# Altium PCB PCB-Relay-Board-V1.PcbDoc (part 2 of 2)
Units mm, origin at the board's own origin, x right, y up, seen from the top; angles counter-clockwise.
Board outline 165 x 129 mm, 8 copper layers (Top Layer, Signal 1, Signal2, GND Plane, P5V0R Plane, Layer 2, Signal 2, Bottom Layer), stack 1.526 mm thick; 356 components, 341 nets, 1487 pads, 0 vias.
Unrouted connection lines stored in the file: 991.
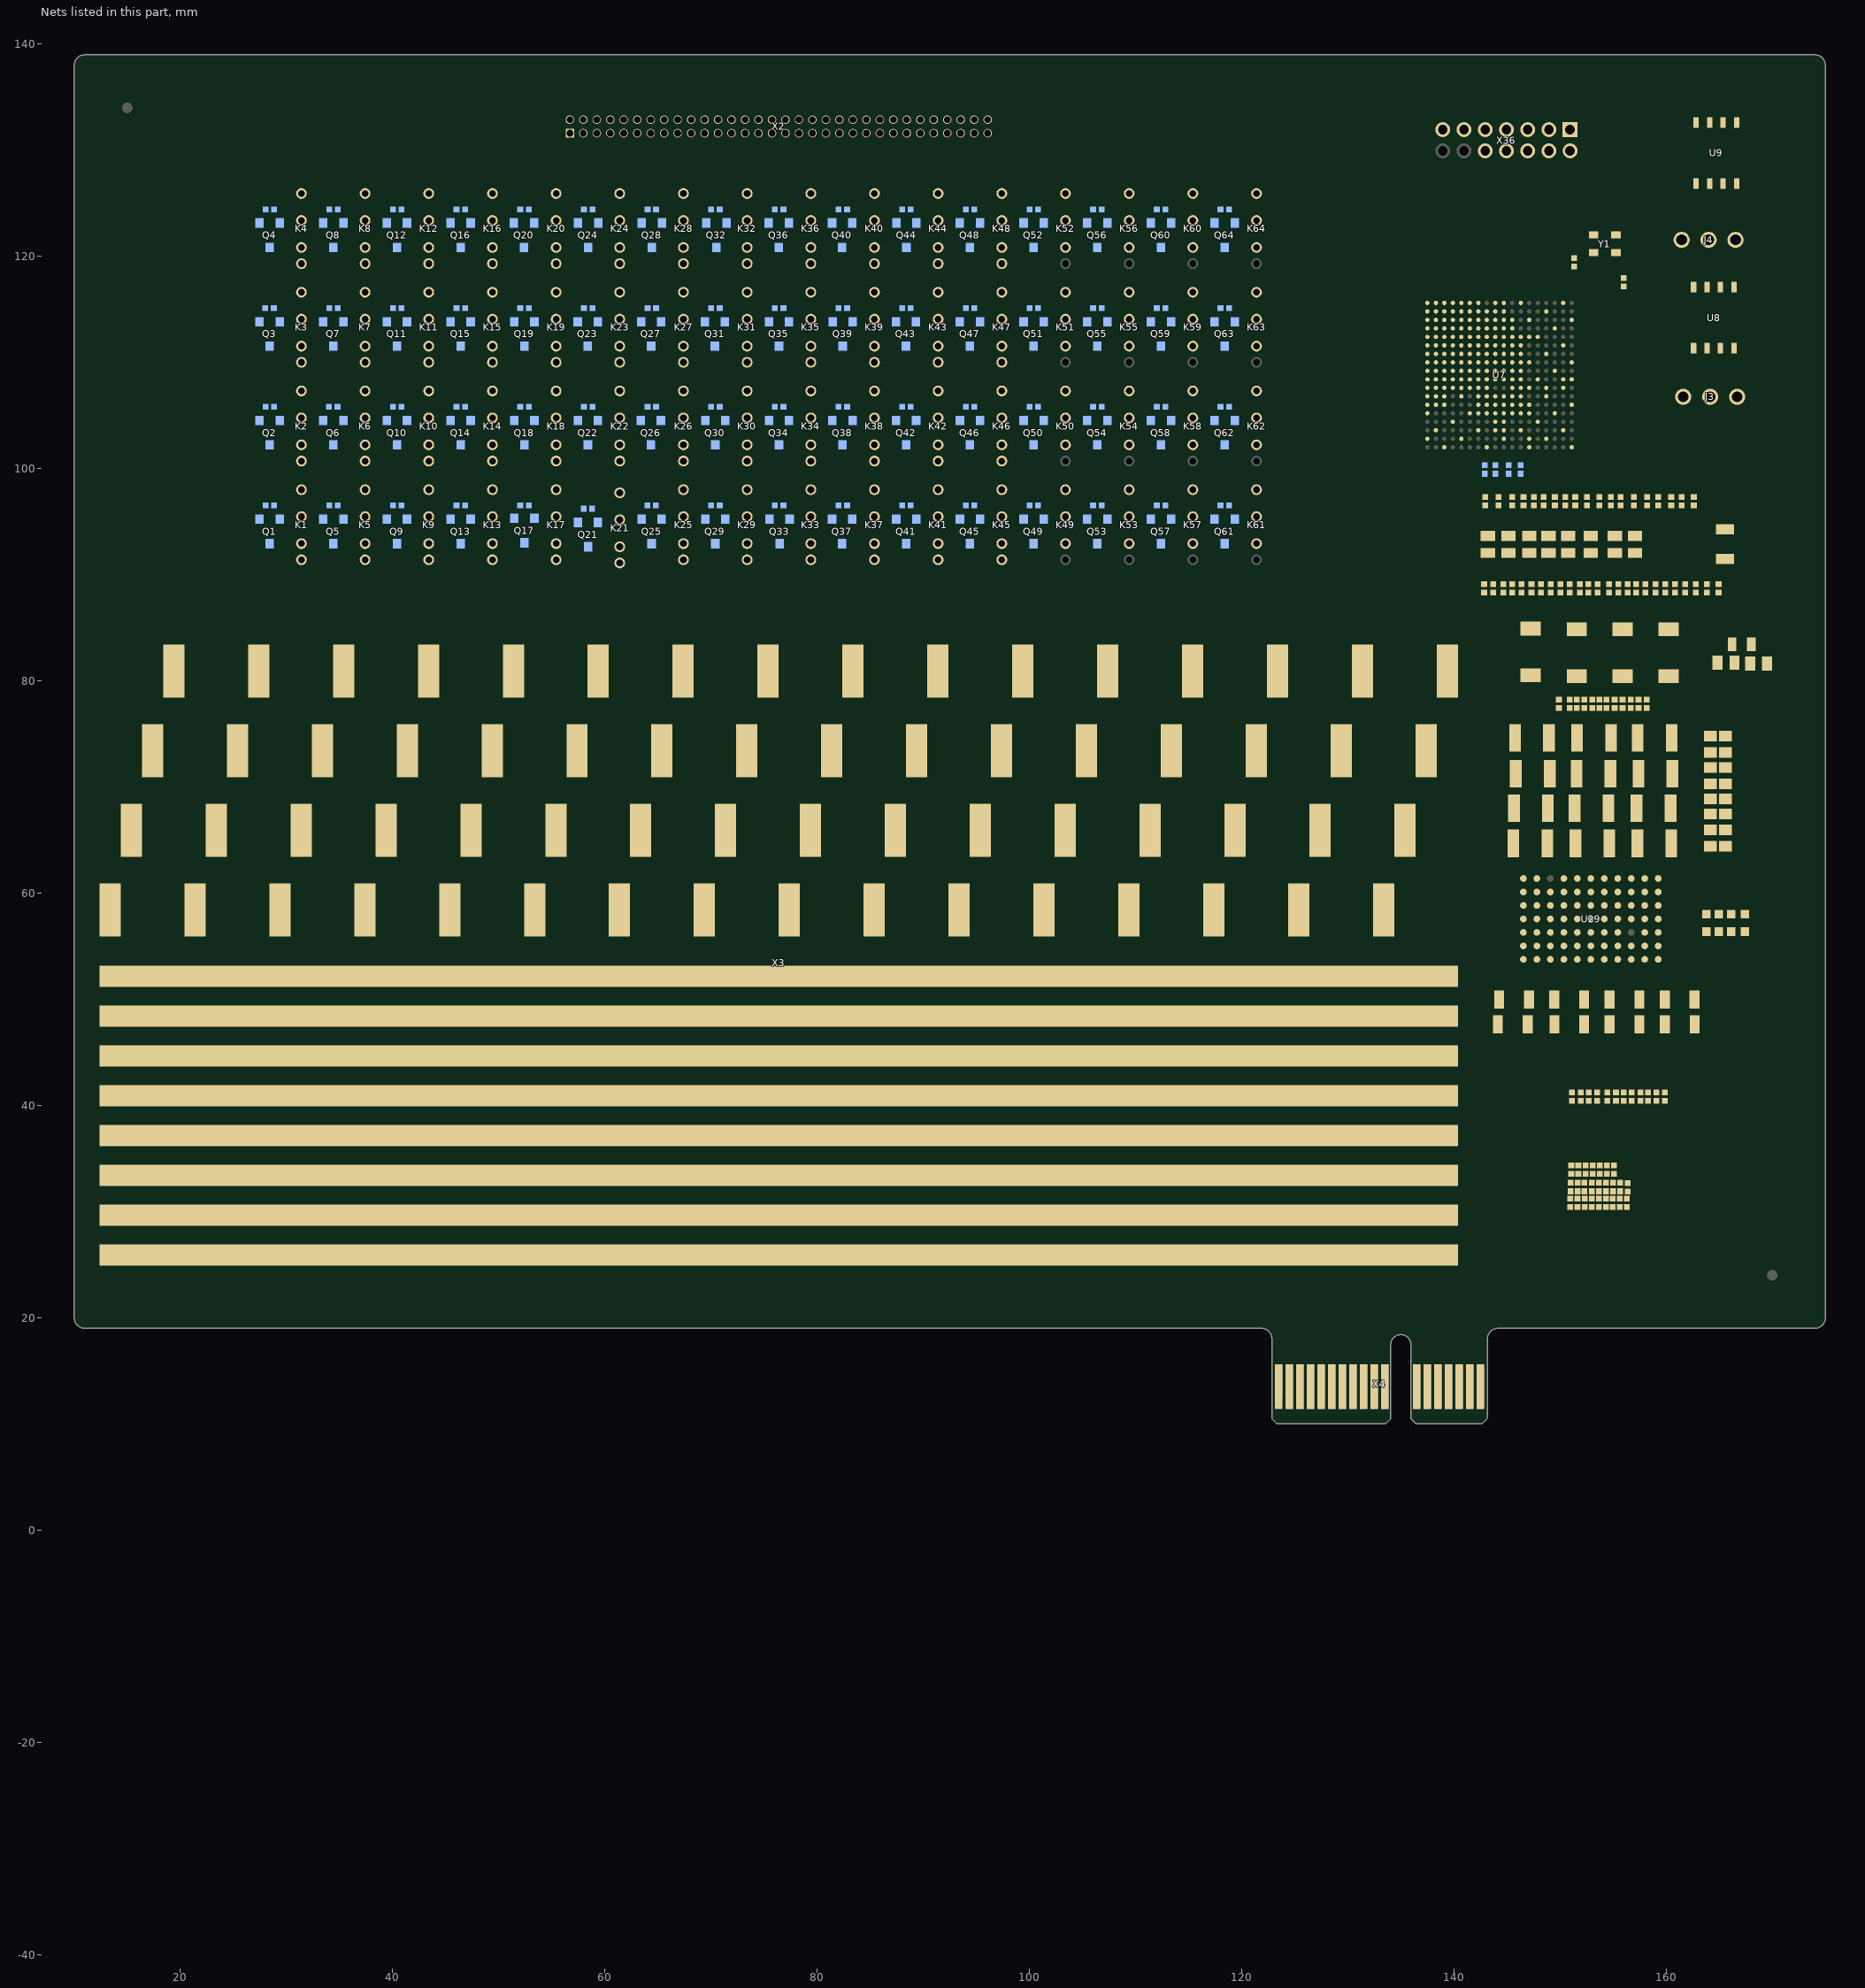
[diagram p4: the nets of this part, all layers, seen from the top]

## Part data
AOI1 AOI2 AOI3 AOI4 AOI5 AOI6: library part Fiducial, "Assembly AOI", 02. Distributor Part Number=N/A, 01. Distributor=N/A, 03. Unit Price=N/A, 04. Manufacturer=N/A, 05. Quantity=N/A, 06. Data Sheet=N/A, 07. Manufacturer  Part Number=N/A, 08. Inhouse Stock=N/A, 09. Operating Temperature=N/A, 10. Weight=N/A, 11. RoHS=N/A, 12.UL94 Flammability=N/A, 13. Created Date/Name=AUG2018/Hören, ComponentLink1Description=Info, ComponentLink2Description=Info
  AOI1 AOI2: Shape="Point Top"
  AOI3: Shape="Cross Top"
  AOI4 AOI5: Shape="Point Bottom"
  AOI6: Shape="Cross Bottom"
C1 C2 C3 C4 C5 C6 C7 C8: "CAP CER 10UF 25V X7R 1206", 02. Distributor Part Number=445-7705-6-ND, 04. Manufacturer="TDK Corporation", 07. Manufacturer  Part Number=C3216X7R1E106K160AB, 09. Operating Temperature="-55°C ~ 125°C", Package=1206, Tolerance=±10%, Voltage Rating=25V, 01. Distributor=DigiKey, 03. Unit Price=0.66, 11. RoHS=YES, 13. Created Date/Name=AUG2018/Hören, ComponentLink1Description=Info, ComponentLink1URL=https://www.digikey.de/products/en?keywords=445-7705-6-ND, ComponentLink2Description=DataSheet, Type=X7R
C9 C10: "CAP CER 10UF 10V X7R 0805", 02. Distributor Part Number=1276-1764-6-ND, 04. Manufacturer="Samsung Electro-Mechanics", 07. Manufacturer  Part Number=CL21B106KPQNNNE, 09. Operating Temperature="-55°C ~ 125°C", Package=0805, Tolerance=±10%, Voltage Rating=10V, 01. Distributor=DigiKey, 03. Unit Price=0.24, 11. RoHS=YES, 13. Created Date/Name=AUG2018/Hören, ComponentLink1Description=Info, ComponentLink1URL=https://www.digikey.de/products/en?keywords=1276-1764-6-ND, ComponentLink2Description=DataSheet, Type=X7R
C11 C12 C13 C14 C15 C16 C18 C19 C20 C21 C22 C23: "CAP CER 47UF 10V X5R 1210", 02. Distributor Part Number=1276-3380-6-ND, 04. Manufacturer="Samsung Electro-Mechanics", 07. Manufacturer  Part Number=CL32A476MPJNNNE, 09. Operating Temperature="-55°C ~ 85°C", Package=1210, Tolerance=±20%, Voltage Rating=10V, 01. Distributor=DigiKey, 03. Unit Price=0.88, 11. RoHS=YES, 13. Created Date/Name=AUG2018/Hören, ComponentLink1Description=Info, ComponentLink2Description=DataSheet, Type=X5R
C17: "CAP CER 0.1UF 16V X7R 0402", 02. Distributor Part Number=399-7761-6-ND, 04. Manufacturer=KEMET, 07. Manufacturer  Part Number=C0402C104J4RACTU, 09. Operating Temperature="-55°C ~ 125°C", Package=0402, Tolerance=±5%, Voltage Rating=16V, 01. Distributor=DigiKey, 03. Unit Price=0.45, 11. RoHS=YES, 13. Created Date/Name=AUG2018/Hören, ComponentLink1Description=Info, ComponentLink1URL=https://www.digikey.de/product-detail/en/kemet/C0402C104J4RACTU/399-7761-6-ND/3472292, ComponentLink2Description=DataSheet, ComponentLink2URL=https://content.kemet.com/datasheets/KEM_C1002_X7R_SMD.pdf, Type=X7R
C24 C25 C28 C31 C34 C37 C38 C39 C40 C41 C42 C43: "CAP CER 100PF 25V C0G/NP0 0402", 02. Distributor Part Number=399-1022-6-ND, 04. Manufacturer=KEMET, 07. Manufacturer  Part Number=C0402C101J3GACTU, 09. Operating Temperature="-55°C ~ 125°C", Package=0402, Tolerance=±5%, Voltage Rating=25V, 01. Distributor=DigiKey, 03. Unit Price=0.09, 11. RoHS=YES, 13. Created Date/Name=AUG2018/Hören, ComponentLink1Description=Info, ComponentLink1URL=https://www.digikey.de/products/en?keywords=399-1022-6-ND, ComponentLink2Description=DataSheet, Type="C0G, NP0"
C26 C29 C32 C35: "CAP CER 0.1UF 25V X7R 0402", 02. Distributor Part Number=311-2077-6-ND, 04. Manufacturer=Yageo, 07. Manufacturer  Part Number=CC0402KRX7R8BB104, 09. Operating Temperature="-55°C ~ 125°C", Package=0402, Tolerance=±10%, Voltage Rating=25V, 01. Distributor=DigiKey, 03. Unit Price=0.09, 11. RoHS=YES, 13. Created Date/Name=AUG2018/Hören, ComponentLink1Description=Info, ComponentLink1URL=https://www.digikey.de/products/en?keywords=311-2077-6-ND, ComponentLink2Description=DataSheet, Type=X7R
C27 C30 C33 C36: "CAP CER 1000PF 25V X7R 0402", 02. Distributor Part Number=399-1031-6-ND, 04. Manufacturer=KEMET, 07. Manufacturer  Part Number=C0402C102K3RACTU, 09. Operating Temperature="-55°C ~ 125°C", Package=0402, Tolerance=±10%, Voltage Rating=25V, 01. Distributor=DigiKey, 03. Unit Price=0.09, 11. RoHS=YES, 13. Created Date/Name=AUG2018/Hören, ComponentLink1Description=Info, ComponentLink1URL=https://www.digikey.de/products/en?keywords=399-1031-6-ND, ComponentLink2Description=DataSheet, Type=X7R
C310: library part CAP, "CAP CER 47UF 10V X5R 1206", 02. Distributor Part Number=1276-3063-6-ND, 04. Manufacturer="Samsung Electro-Mechanics", 07. Manufacturer  Part Number=CL31A476MPHNNNE, 09. Operating Temperature="-55°C ~ 85°C", MFR=MURATA, MFR-PN=GRM32ER71A476KE15L, MFR-TYPE="GRM series", Tolerance=±20%, Voltage Rating=10V, 01. Distributor=DigiKey, 03. Unit Price=0.64, 3D-Export=No, 11. RoHS=YES, ComponentLink1Description=Info, ComponentLink1URL=https://www.digikey.de/product-detail/en/murata-electronics-north-america/GRM32EC70J107ME15L/490-10530-6-ND/5027076, ComponentLink4Description=Info, ComponentLink4URL=https://www.digikey.de/product-detail/en/samsung-electro-mechanics/CL31A476MPHNNNE/1276-3063-6-ND/3893578, ComponentLink5Description=DataSheet, ComponentLink5URL=https://media.digikey.com/pdf/Data%20Sheets/Samsung%20PDFs/CL_Series_MLCC_ds.pdf, Parameters="X7R, 10V, 10%", POPULATED=yes, Temperature Range="-55°C ~ 85°C", Type=X7R
C311 C312 C313 C430 C431 C438 C439 C445 C446 C452 C453 C457 C458 C464 C465 C470 C471 C476 C477: library part CAP, "CAP CER 4.7UF 6.3V X5R 0402", 02. Distributor Part Number=1276-1481-6-ND, 04. Manufacturer="Samsung Electro-Mechanics", 07. Manufacturer  Part Number=CL05A475KQ5NRNC, 09. Operating Temperature="-55°C ~ 85°C", Temperature Range=-40°C/+85°C, Tolerance=10%, Voltage Rating=6V3, 01. Distributor=DigiKey, 03. Unit Price=0.28, 3D-Export=No, 11. RoHS=YES, ComponentLink4Description=DataSheet, ComponentLink4URL=https://media.digikey.com/pdf/Data%20Sheets/Samsung%20PDFs/CL_Series_MLCC_ds.pdf, ComponentLink5Description=Info, ComponentLink5URL=https://www.digikey.de/product-detail/en/samsung-electro-mechanics/CL05A475KQ5NRNC/1276-1481-6-ND/3891995, Parameters="X7R, 6V3, 10%", POPULATED=yes, Type=X7R
C314 C315 C317 C432 C433 C434 C435 C440 C441 C442 C443 C447 C448 C449 C450 C454 C455 C459 C460 C461 C462 C466 C467 C468 C469: library part CAP, "CAP CER 0.47UF 10V X5R 0402", 02. Distributor Part Number=1276-1173-6-ND, 04. Manufacturer="Samsung Electro-Mechanics", 07. Manufacturer  Part Number=CL05A474KP5NNNC, 09. Operating Temperature="-55°C ~ 85°C", Tolerance=10%, Voltage Rating=10V, 01. Distributor=DigiKey, 03. Unit Price=0.09, 3D-Export=No, 11. RoHS=YES, ComponentLink4Description=Info, ComponentLink4URL=https://www.digikey.de/product-detail/en/samsung-electro-mechanics/CL05A474KP5NNNC/1276-1173-6-ND/3891687, ComponentLink5Description=DataSheet, ComponentLink5URL=https://media.digikey.com/pdf/Data%20Sheets/Samsung%20PDFs/CL_Series_MLCC_ds.pdf, Parameters="X5R, 10V, 10%", POPULATED=yes, Temperature Range="-55°C ~ 85°C", Type=X5R
C316 C318 C436 C437 C444 C451 C456 C463: library part CAP, "CAP CER 47UF 10V X5R 0805", 02. Distributor Part Number=490-9961-6-ND, 04. Manufacturer="Murata Electronics North America", 07. Manufacturer  Part Number=GRM21BR61A476ME15L, 09. Operating Temperature="-55°C ~ 85°C", MFR=MURATA, MFR-PN=GRM32ER71A476KE15L, MFR-TYPE="GRM series", Tolerance=±20%, Voltage Rating=10V, 01. Distributor=DigiKey, 03. Unit Price=0.67, 3D-Export=No, 11. RoHS=YES, ComponentLink4Description=Info, ComponentLink4URL=https://www.digikey.de/product-detail/en/murata-electronics-north-america/GRM21BR61A476ME15L/490-9961-6-ND/5027050, ComponentLink5Description=DataSheet, ComponentLink5URL=https://search.murata.co.jp/Ceramy/image/img/A01X/G101/ENG/GRM21BR61A476ME15-01.pdf, Parameters="X7R, 10V, 10%", POPULATED=yes, Temperature Range="-55°C ~ 85°C", Type=X7R
D1 D2 D3 D4: library part Dz, "DIODE SCHOTTKY 40V 5A SOD128", 02. Distributor Part Number=1727-5842-6-ND, 04. Manufacturer="Nexperia USA Inc.", 07. Manufacturer  Part Number=PMEG4050EP,115, 09. Operating Temperature=<150°C, 01. Distributor=DigiKey, 03. Unit Price=0.45, 3D-Export=No, 11. RoHS=YES, 13. Created Date/Name=AUG2018/Hören, ComponentLink1Description=Info, ComponentLink1URL=https://www.digikey.de/product-detail/en/nexperia-usa-inc/PMEG4050EP115/1727-5842-6-ND/2697559, ComponentLink2Description=DataSheet, ComponentLink2URL=https://assets.nexperia.com/documents/data-sheet/PMEG4050EP.pdf
D9 D10 D11 D12: library part LED, "LED GREEN DIFFUSED 0603 SMD", 02. Distributor Part Number=475-2709-6-ND, 04. Manufacturer="OSRAM Opto Semiconductors Inc.", 07. Manufacturer  Part Number="LG L29K-G2J1-24-Z", Color=GREEN, 01. Distributor=DigiKey, 03. Unit Price=0.4, 11. RoHS=YES, 13. Created Date/Name=AUG2018/Hören, ComponentLink1Description=Info, ComponentLink1URL=https://www.digikey.de/products/en?keywords=475-2709-6-ND, ComponentLink2Description=DataSheet, ComponentLink2URL=https://www.digikey.de/products/en?keywords=475-2709-6-ND, If=2mA, Vf=1.7V, Viewing Angle=160°, Wave Length=570nm
J1 J2 J5 J6 J7 J8 J9 J10: library part "Jumper SMD", "RES SMD 0 OHM JUMPER 1/10W 0603", 02. Distributor Part Number=311-0.0GRDKR-ND, 04. Manufacturer=Yageo, 07. Manufacturer  Part Number=RC0603JR-070RL, 09. Operating Temperature="-55°C ~ 155°C", Package=0603, 01. Distributor=DigiKey, 03. Unit Price=0.09, 11. RoHS=YES, ComponentLink4Description=Info, ComponentLink4URL=https://www.digikey.de/product-detail/en/yageo/RC0603JR-070RL/311-0.0GRDKR-ND/732569, ComponentLink5Description=DataSheet, ComponentLink5URL=http://www.yageo.com/documents/recent/PYu-RC_Group_51_RoHS_L_10.pdf, POPULATED=MNT
J3 J4: library part "Header 3Pins 100mil", "CONN HEADER VERT 3POS 2.54MM", 02. Distributor Part Number=HMTSW-103-07-G-S-240, 04. Manufacturer="Samtec Inc.", 01. Distributor="Samtec Inc.", 03. Unit Price=0.25, 07. Manufacturer  Part Number=HMTSW-103-07-G-S-240, 11. RoHS=YES, 13. Created Date/Name=AUG2018/Hören, ComponentLink1Description=Info, ComponentLink1URL=https://www.samtec.com/products/hmtsw-103-07-g-s-240, ComponentLink2Description=DataSheet, ComponentLink2URL=http://suddendocs.samtec.com/catalog_english/hmtsw.pdf
K1 K2 K3 K4 K5 K6 K7 K8 K9 K10 K11 K12 K13 K14 K15 K16 K17 K18 K19 K20 K21 K22 K23 K24 K25 K26 K27 K28 K29 K30 K31 K32 K33 K34 K35 K36 K37 K38 K39 K40 K41 K42 K43 K44 K45 K46 K47 K48 K49 K50 K51 K52 K53 K54 K55 K56 K57 K58 K59 K60 K61 K62 K63 K64: library part 118-1-A-5/2D, "5V Signal Relais, Normal Open", 04. Manufacturer=Pickering, 09. Operating Temperature="-20°C ~ +85°C", Coil Resistance="1500 Ohm", Coil Voltage=5V, Max Carry Current="1.2 A", Max Switch Current=1A, Max Switch Voltage=200V, Power Rating=15W, 01. Distributor=Pickering, 02. Distributor Part Number=118-1-A-5/2D, 03. Unit Price=2.60, 05. Quantity=1000, 06. Data Sheet=Pickering_series_118.pdf, 07. Manufacturer  Part Number=118-1-A-5/2D, 11. RoHS=2011/65/EU, 13. Created Date/Name="20.12.17 S. Kaiser", ComponentLink1Description=Info, ComponentLink1URL=http://www.pickeringrelay.com/, ComponentLink2Description=DataSheet, ComponentLink2URL=https://www.pickeringrelay.com/products/single-line-sil-series-111-119/single-line-sil-series-118/
L1: library part FB, "FERRITE BEAD 600 OHM 0805 1LN", 02. Distributor Part Number=732-1620-6-ND, 04. Manufacturer="Würth Elektronik", 07. Manufacturer  Part Number=742792040, 09. Operating Temperature="-55°C ~ 125°C", Impedance Tolerance=%, Package=0805, 01. Distributor=DigiKey, 03. Unit Price=0.22, 11. RoHS=YES, 13. Created Date/Name=AUG2018/Hören, ComponentLink1Description=Info, ComponentLink1URL=https://www.digikey.de/products/en?keywords=732-1620-6-ND, ComponentLink2Description=DataSheet, ComponentLink2URL=https://www.we-online.de/katalog/datasheet/742792040.pdf, DCR=150m?, IRMS=2A, Nominal Impedance="600? @ 100MHz"
Q1 Q2 Q3 Q4 Q5 Q6 Q7 Q8 Q9 Q10 Q11 Q12 Q13 Q14 Q15 Q16 Q17 Q18 Q19 Q20 Q21 Q22 Q23 Q24 Q25 Q26 Q27 Q28 Q29 Q30 Q31 Q32 Q33 Q34 Q35 Q36 Q37 Q38 Q39 Q40 Q41 Q42 Q43 Q44 Q45 Q46 Q47 Q48 Q49 Q50 Q51 Q52 Q53 Q54 Q55 Q56 Q57 Q58 Q59 Q60 Q61 Q62 Q63 Q64: library part FDV303N, "MOSFET N-CH 25V 680MA SOT-23", 02. Distributor Part Number=FDV303NDKR-ND, 04. Manufacturer="ON Semiconductor", 09. Operating Temperature="-55°C ~ 150°C (TJ)", Power Rating=350mW, 01. Distributor=DigiKey, 03. Unit Price=0.41, 3D-Export=No, 07. Manufacturer  Part Number=FDV303N, 11. RoHS=YES, 13. Created Date/Name="AUG 2018 / Hören", ComponentLink1Description=Info, ComponentLink1URL=https://www.digikey.de/product-detail/en/on-semiconductor/FDV303N/FDV303NDKR-ND/1630434, ComponentLink2Description=DataSheet, ComponentLink2URL=https://media.digikey.com/pdf/Data%20Sheets/Fairchild%20PDFs/FDV303N.pdf, Id=680mA, Rds On="450 m? @ id=500mA & Vgs=4.5V", Vdss=25V, Vgs,th="1.5V @ 250uA"
R1 R2 R3 R4 R5 R6 R7 R8 R9 R10 R11 R12 R13 R14 R15 R16 R17 R18 R19 R20 R21 R22 R23 R24 R25 R26 R27 R28 R29 R30 R31 R32 R33 R34 R35 R36 R37 R38 R39 R40 R41 R42 R48 R49 R50 R51 R52 R53 R54 R55 R56 R57 R58 R59 R60 R61 R62 R63 R64 R65 R66 R67 R68 R69: "Resistor", 09. Operating Temperature=-xx..+yy°C, Tolerance=±1%, 11. RoHS=???, 13. Created Date/Name=AUG2018/Hören, ComponentLink1Description=Info, ComponentLink2Description=DataSheet
R43: "RES SMD 33 OHM 1% 1/16W 0402", 02. Distributor Part Number=311-33.0LRDKR-ND, 04. Manufacturer=Yageo, 07. Manufacturer  Part Number=RC0402FR-0733RL, 09. Operating Temperature="-55°C ~ 155°C", Package=0402, Power Rating=63mW, Tolerance=±1%, 01. Distributor=DigiKey, 03. Unit Price=0.09, 11. RoHS=YES, 13. Created Date/Name=AUG2018/Hören, ComponentLink1Description=Info, ComponentLink1URL=https://www.digikey.de/products/en?keywords=311-33.0LRDKR-ND, ComponentLink2Description=DataSheet, Type="Thick Film"
R44 R46: "RES SMD 4.7K OHM 1% 1/16W 0402", 02. Distributor Part Number=311-4.7KLRDKR-ND, 04. Manufacturer=Yageo, 07. Manufacturer  Part Number=RC0402FR-074K7L, 09. Operating Temperature="-55°C ~ 155°C", Package=0402, Power Rating=63mW, Tolerance=±1%, 01. Distributor=DigiKey, 03. Unit Price=0.09, 11. RoHS=YES, 13. Created Date/Name=AUG2018/Hören, ComponentLink1Description=Info, ComponentLink1URL=https://www.digikey.de/products/en?keywords=311-4.7KLRDKR-ND, ComponentLink2Description=DataSheet, Type="Thick Film"
R45: "RES SMD 330 OHM 1% 1/16W 0402", 02. Distributor Part Number=311-330LRDKR-ND, 04. Manufacturer=Yageo, 07. Manufacturer  Part Number=RC0402FR-07330RL, 09. Operating Temperature="-55°C ~ 155°C", Package=0402, Power Rating=63mW, Tolerance=±1%, 01. Distributor=DigiKey, 03. Unit Price=0.09, 11. RoHS=YES, 13. Created Date/Name=AUG2018/Hören, ComponentLink1Description=Info, ComponentLink1URL=https://www.digikey.de/products/en?keywords=311-330LRDKR-ND, ComponentLink2Description=DataSheet, Type="Thick Film"
R47: "RES SMD 2.4K OHM 1% 1/16W 0402", 02. Distributor Part Number=311-2.40KLRDKR-ND, 04. Manufacturer=Yageo, 07. Manufacturer  Part Number=RC0402FR-072K4L, 09. Operating Temperature="-55°C ~ 155°C", Package=0402, Power Rating=63mW, Tolerance=±1%, 01. Distributor=DigiKey, 03. Unit Price=0.09, 11. RoHS=YES, 13. Created Date/Name=AUG2018/Hören, ComponentLink1Description=Info, ComponentLink2Description=DataSheet, Type="Thick Film"
R54 R55 R56 R57 R63 R64 R65 R66 R67 R70 R73 R76: "RES SMD 10K OHM 1% 1/16W 0402", 02. Distributor Part Number=311-10.0KLRDKR-ND, 04. Manufacturer=Yageo, 07. Manufacturer  Part Number=RC0402FR-0710KL, 09. Operating Temperature="-55°C ~ 155°C", Package=0402, Power Rating=63mW, Tolerance=±1%, 01. Distributor=DigiKey, 03. Unit Price=0.09, 11. RoHS=YES, 13. Created Date/Name=AUG2018/Hören, ComponentLink1Description=Info, ComponentLink1URL=https://www.digikey.de/products/en?keywords=311-10.0KLRDKR-ND, ComponentLink2Description=DataSheet, Type="Thick Film"
R58: "RES SMD 100K OHM 1% 1/16W 0402", 02. Distributor Part Number=311-100KLRDKR-ND, 04. Manufacturer=Yageo, 07. Manufacturer  Part Number=RC0402FR-07100KL, 09. Operating Temperature="-55°C ~ 155°C", Package=0402, Power Rating=63mW, Tolerance=±1%, 01. Distributor=DigiKey, 03. Unit Price=0.09, 11. RoHS=YES, 13. Created Date/Name=AUG2018/Hören, ComponentLink1Description=Info, ComponentLink2Description=DataSheet, Type="Thick Film"
R59 R60 R61 R62 R68 R71 R74 R77: "RES SMD 0 OHM JUMPER 1/16W 0402", 02. Distributor Part Number=311-0.0JRDKR-ND, 04. Manufacturer=Yageo, 07. Manufacturer  Part Number=RC0402JR-070RL, 09. Operating Temperature="-55°C ~ 155°C", Package=0402, Power Rating=63mW, 01. Distributor=DigiKey, 03. Unit Price=0.09, 11. RoHS=YES, 13. Created Date/Name=AUG2018/Hören, ComponentLink1Description=Info, ComponentLink1URL=https://www.digikey.de/products/en?keywords=311-0.0JRDKR-ND, ComponentLink2Description=DataSheet, Type="Thick Film"
R69: "RES SMD 13.3K OHM 1% 1/16W 0402", 02. Distributor Part Number=YAG2974DKR-ND, 04. Manufacturer=Yageo, 07. Manufacturer  Part Number=RC0402FR-0713K3L, 09. Operating Temperature="-55°C ~ 155°C", Package=0402, Power Rating=63mW, Tolerance=±1%, 01. Distributor=DigiKey, 03. Unit Price=0.09, 11. RoHS=YES, 13. Created Date/Name=AUG2018/Hören, ComponentLink1Description=Info, ComponentLink1URL=https://www.digikey.de/products/en?keywords=YAG2974DKR-ND, ComponentLink2Description=DataSheet, Type="Thick Film"
R72: "RES SMD 19.1K OHM 1% 1/16W 0402", 02. Distributor Part Number=311-19.1KLRDKR-ND, 04. Manufacturer=Yageo, 07. Manufacturer  Part Number=RC0402FR-0719K1L, 09. Operating Temperature="-55°C ~ 155°C", Package=0402, Power Rating=63mW, Tolerance=±1%, 01. Distributor=DigiKey, 03. Unit Price=0.09, 11. RoHS=YES, 13. Created Date/Name=AUG2018/Hören, ComponentLink1Description=Info, ComponentLink2Description=DataSheet, Type="Thick Film"
R75: "RES SMD 30.1K OHM 1% 1/16W 0402", 02. Distributor Part Number=311-30.1KLRDKR-ND, 04. Manufacturer=Yageo, 07. Manufacturer  Part Number=RC0402FR-0730K1L, 09. Operating Temperature="-55°C ~ 155°C", Package=0402, Power Rating=63mW, Tolerance=±1%, 01. Distributor=DigiKey, 03. Unit Price=0.09, 11. RoHS=YES, 13. Created Date/Name=AUG2018/Hören, ComponentLink1Description=Info, ComponentLink1URL=https://www.digikey.de/products/en?keywords=311-30.1KLRDKR-ND, ComponentLink2Description=DataSheet, Type="Thick Film"
R78: "RES SMD 90.9K OHM 1% 1/16W 0402", 02. Distributor Part Number=311-90.9KLRDKR-ND, 04. Manufacturer=Yageo, 07. Manufacturer  Part Number=RC0402FR-0790K9L, 09. Operating Temperature="-55°C ~ 155°C", Package=0402, Power Rating=63mW, Tolerance=±1%, 01. Distributor=DigiKey, 03. Unit Price=0.09, 11. RoHS=YES, 13. Created Date/Name=AUG2018/Hören, ComponentLink1Description=Info, ComponentLink2Description=DataSheet, Type="Thick Film"
R94 R95 R96 R97: "RES SMD 1.65K OHM 1% 1/16W 0402", 02. Distributor Part Number=YAG3043DKR-ND, 04. Manufacturer=Yageo, 07. Manufacturer  Part Number=RC0402FR-071K65L, 09. Operating Temperature="-55°C ~ 155°C", Package=0402, Power Rating=63mW, Tolerance=±1%, 01. Distributor=DigiKey, 03. Unit Price=0.09, 11. RoHS=YES, 13. Created Date/Name=AUG2018/Hören, ComponentLink1Description=Info, ComponentLink1URL=https://www.digikey.de/product-detail/en/yageo/RC0402FR-071K65L/YAG3043DKR-ND/5282914, ComponentLink2Description=DataSheet, Type="Thick Film"
U7: library part XC7A15T-CS324, "XC7A15T-1CSG324C", 04. Manufacturer=XILINX, 09. Operating Temperature="0°C ~ 85°C (TJ)", 01. Distributor=Avnet, 02. Distributor Part Number=XC7A15T-1CSG324C, 03. Unit Price=20.65, 07. Manufacturer  Part Number=XC7A15T-1CSG324C, 11. RoHS=YES, ComponentLink4Description=Info, ComponentLink4URL=https://www.digikey.de/products/en?keywords=XC7A15T-1CSG324C, ComponentLink5Description=DataSheet, ComponentLink5URL=https://www.xilinx.com/support/documentation/data_sheets/ds181_Artix_7_Data_Sheet.pdf, ComponentLink6Description=NXP, ComponentLink6URL=https://www.nxp.com/part/MK20DN512VMD10, MFR=XILINX, MFR-PN=XC7A15T-CS324, NicName=XC7A15T, POPULATED=yes
U8 U9: library part MX25R3235FM1IH0, "IC FLASH 32M SPI 80MHZ 8SOP", 13. Created Date/Name="AUG 2018 / Hören", ComponentLink1Description=Info, ComponentLink1URL=https://www.digikey.de/product-detail/en/macronix/MX25R3235FM1IH0/1092-1175-ND/5957736, ComponentLink2Description=DataSheet, ComponentLink2URL=https://www.macronix.com/Lists/Datasheet/Attachments/7534/MX25R3235F%2c%20Wide%20Range%2c%2032Mb%2c%20v1.6.pdf
U29: library part LTM4644, "DC DC CONVERTER 4X0.6-5.5V", 02. Distributor Part Number=LTM4644EY#PBF-ND, 04. Manufacturer="Linear Technology/Analog Devices", 07. Manufacturer  Part Number=LTM4644EY#PBF, 09. Operating Temperature="-40°C ~ 125°C", MFR="LINEAR TECHNOLOGY", 01. Distributor=DigiKey, 03. Unit Price=39.30, 11. RoHS=YES, ComponentLink4Description=Info, ComponentLink4URL=https://www.digikey.de/products/en?keywords=LTM4644EY%23PBF, ComponentLink5Description=DataSheet, ComponentLink5URL=http://www.analog.com/media/en/technical-documentation/data-sheets/4644fe.pdf, MFR-PN=LTM4644EY#PBF, NicName=LTM4644, POPULATED=yes
X2: library part TFC-132-01-F-D-RA, "CONN HEADER TH RA 48POS 1.27MM", 04. Manufacturer="Samtec Inc.", 01. Distributor="Samtec Inc.", 02. Distributor Part Number=TFC-132-01-F-D-RA, 03. Unit Price=5, 07. Manufacturer  Part Number=TFC-132-01-F-D-RA, 11. RoHS=YES, 13. Created Date/Name="??? / Hören", ComponentLink1Description=Info, ComponentLink1URL=https://www.samtec.com/products/tfc-124-01-f-d-ra, ComponentLink2Description=DataSheet, System=Connector
X3: library part CONFIG64, "PCB Tester Configuration Matrix for 48 Relays over 8 ABUSes", 13. Created Date/Name="??? / Hören", ComponentLink1Description=Info, ComponentLink2Description=DataSheet
X4: library part PCIE-036-02-F-D-Fingers, "CONN PCI Card Edge 36POS", ComponentLink1Description=Info, ComponentLink2Description=DataSheet, ComponentLink2URL=http://suddendocs.samtec.com/catalog_english/pcie.pdf, System=Connector
X36: library part LTMM-107-02-F-D, "CONN HEADER VERT 14POS 2MM", 02. Distributor Part Number=LTMM-107-02-F-D-ND, 04. Manufacturer="Samtec Inc.", 01. Distributor=DigiKey, 03. Unit Price=2.38, 07. Manufacturer  Part Number=LTMM-107-02-F-D, 11. RoHS=YES, 13. Created Date/Name="??? / Hören", ComponentLink1Description=Info, ComponentLink1URL=https://www.digikey.de/product-detail/en/samtec-inc/LTMM-107-02-F-D/LTMM-107-02-F-D-ND/8723899, ComponentLink2Description=DataSheet, ComponentLink2URL=https://www.samtec.com/products/ltmm, NickName=JTAG, System=Connector
Y1: library part ASE-25.000MHZ-LC-T, "XTAL OSC XO 25.0000MHZ CMOS SMD", 02. Distributor Part Number=535-9568-1-ND, 04. Manufacturer="Abracon LLC", Frequency=25MHz, Package=4SMD, 01. Distributor=DigiKey, 03. Unit Price=1.46, 07. Manufacturer  Part Number=ASE-25.000MHZ-LC-T, 11. RoHS=YES, 13. Created Date/Name="AUG 2018 / Hören", ComponentLink1Description=Info, ComponentLink1URL=https://www.digikey.de/products/en?keywords=535-9568-1-ND, ComponentLink2Description=DataSheet

## Nets (pads, with @x,y where several pads share a name; then routed paths per layer and width w, separated by ;. In a path a pad name is that pad's centre, name@x,y a point inside that pad or via, vN(x,y) a via of type N, cw(c..) or ccw(c..) an arc to the next point about the centre after c; other vN are vias at no path point)
5V0: R94.2 R95.2 R96.2 R97.2
5V0R: D4.2 K1.1 K2.1 K3.1 K4.1 K5.1 K6.1 K7.1 K8.1 K9.1 K10.1 K11.1 K12.1 K13.1 K14.1 K15.1 K16.1 K17.1 K18.1 K19.1 K20.1 K21.1 K22.1 K23.1 K24.1 K25.1 K26.1 K27.1 K28.1 K29.1 K30.1 K31.1 K32.1 K33.1 K34.1 K35.1 K36.1 K37.1 K38.1 K39.1 K40.1 K41.1 K42.1 K43.1 K44.1 K45.1 K46.1 K47.1 K48.1 X4.B9 X4.B10 X4.B11 X4.B12 X4.B13 X4.B14 X4.B15 X4.B16
\CS: U7.A9 X4.B18
A0: U7.R10 X4.B1
A1: U7.T10 X4.B2
A2: U7.T9 X4.B3
A3: U7.U13 X4.B4
ABUS0: X3.ABUS0 X4.A1
ABUS1: X3.ABUS1 X4.A2
ABUS2: X3.ABUS2 X4.A3
ABUS3: X3.ABUS3 X4.A4
ABUS4: X3.ABUS4 X4.A5
ABUS5: X3.ABUS5 X4.A6
ABUS6: X3.ABUS6 X4.A7
ABUS7: X3.ABUS7 X4.A8
COMP1: C37.1 R66.2@156.008,41.226 U29.B7
COMP2: C34.1 R63.2@156.751,41.226 U29.E7
COMP3: C31.1 R65.2@155.267,41.226 U29.H7
COMP4: C28.1 R64.2@154.464,41.226 U29.L7
DRV1: Q1.1 R1.2 U7.F5
DRV2: Q2.1 R2.2 U7.C6
DRV3: Q3.1 R3.2 U7.C5
DRV4: Q4.1 R4.2 U7.B7
DRV5: Q5.1 R5.2 U7.B6
DRV6: Q6.1 R6.2 U7.A6
DRV7: Q7.1 R7.2 U7.A5
DRV8: Q8.1 R8.2 U7.D8
DRV9: Q9.1 R9.2 U7.C7
DRV10: Q10.1 R10.2 U7.E6
DRV11: Q11.1 R11.2 U7.E5
DRV12: Q12.1 R12.2 U7.E7
DRV13: Q13.1 R13.2 U7.D7
DRV14: Q14.1 R14.2 U7.C4
DRV15: Q15.1 R15.2 U7.B4
DRV16: Q16.1 R16.2 U7.A4
DRV17: Q17.1 R17.2 U7.A3
DRV18: Q18.1 R18.2 U7.B1
DRV19: Q19.1 R19.2 U7.A1
DRV20: Q20.1 R20.2 U7.B3
DRV21: Q21.1 R21.2 U7.B2
DRV22: Q22.1 R22.2 U7.D5
DRV23: Q23.1 R23.2 U7.D4
DRV24: Q24.1 R24.2 U7.E3
DRV25: Q25.1 R25.2 U7.D3
DRV26: Q26.1 R26.2 U7.F4
DRV27: Q27.1 R27.2 U7.F3
DRV28: Q28.1 R28.2 U7.E2
DRV29: Q29.1 R29.2 U7.D2
DRV30: Q30.1 R30.2 U7.H2
DRV31: Q31.1 R31.2 U7.G2
DRV32: Q32.1 R32.2 U7.C2
DRV33: Q33.1 R33.2 U7.C1
DRV34: Q34.1 R34.2 U7.H1
DRV35: Q35.1 R35.2 U7.G1
DRV36: Q36.1 R36.2 U7.F1
DRV37: Q37.1 R37.2 U7.E1
DRV38: Q38.1 R38.2 U7.G6
DRV39: Q39.1 R39.2 U7.F6
DRV40: Q40.1 R40.2 U7.G4
DRV41: Q41.1 R41.2 U7.G3
DRV42: Q42.1 R42.2 U7.J4
DRV43: Q43.1 R48.2 U7.H4
DRV44: Q44.1 R49.2 U7.J3
DRV45: Q45.1 R50.2 U7.J2
DRV46: Q46.1 R51.2 U7.K2
DRV47: Q47.1 R52.2 U7.K1
DRV48: Q48.1 R53.2 U7.H6
DRV49: Q49.1 R54.2@100.002,96.527 U7.H5
DRV50: Q50.1 R55.2@100.002,124.433 U7.J5
DRV51: Q51.1 R56.2@100.002,115.131 U7.K6
DRV52: Q52.1 R57.2@100.002,105.829 U7.L1
DRV53: Q53.1 R58.2@106.002,96.527 U7.M1
DRV54: Q54.1 R59.2@106.002,105.829 U7.K3
DRV55: Q55.1 R60.2@106.002,115.131 U7.L3
DRV56: Q56.1 R61.2@106.002,124.433 U7.N2
DRV57: Q57.1 R62.2@112.002,96.527 U7.N1
DRV58: Q58.1 R63.2@112.002,105.829 U7.M3
DRV59: Q59.1 R64.2@112.002,115.131 U7.M2
DRV60: Q60.1 R65.2@112.002,124.433 U7.K5
DRV61: Q61.1 R66.2@118.002,96.527 U7.L4
DRV62: Q62.1 R67.2@118.002,105.829 U7.L6
DRV63: Q63.1 R68.2@118.002,115.131 U7.L5
DRV64: Q64.1 R69.2@118.002,124.433 U7.U1
FB1: C24.1 C25.2 R78.2 U29.A7
FB2: C38.1 C39.2 R75.2 U29.D7
FB3: C40.1 C41.2 R72.2 U29.G7
FB4: C42.1 C43.2 R69.2@151.65,32.713 U29.J7
INTVCC1: R59.2@154.966,31.238 U29.C4
INTVCC2: R60.2@153.656,31.238 U29.F4
INTVCC3: R61.2@152.319,31.238 U29.J4
INTVCC4: R62.2@150.967,31.238 U29.K5
MISO: U7.C10 X4.A18
MOSI: U7.C11 X4.A17
NetC27_1: C27.1 R64.1@154.464,40.426
NetC30_1: C30.1 R65.1@155.267,40.426
NetC33_1: C33.1 R63.1@156.751,40.426
NetC36_1: C36.1 R66.1@156.008,40.426
NetD9_1: D9.1 R94.1
NetD10_1: D10.1 R95.1
NetD11_1: D11.1 R96.1
NetD12_1: D12.1 R97.1
NetJ3_2: J3.2 U8.3
NetJ4_2: J4.2 U9.3
NetK1_2: K1.2 Q1.3
NetK1_3: K1.3 X3.1
NetK1_4: K1.4 X2.1
NetK2_2: K2.2 Q2.3
NetK2_3: K2.3 X3.2
NetK2_4: K2.4 X2.2
NetK3_2: K3.2 Q3.3
NetK3_3: K3.3 X3.3
NetK3_4: K3.4 X2.3
NetK4_2: K4.2 Q4.3
NetK4_3: K4.3 X3.4
NetK4_4: K4.4 X2.4
NetK5_2: K5.2 Q5.3
NetK5_3: K5.3 X3.5
NetK5_4: K5.4 X2.5
NetK6_2: K6.2 Q6.3
NetK6_3: K6.3 X3.6
NetK6_4: K6.4 X2.6
NetK7_2: K7.2 Q7.3
NetK7_3: K7.3 X3.7
NetK7_4: K7.4 X2.7
NetK8_2: K8.2 Q8.3
NetK8_3: K8.3 X3.8
NetK8_4: K8.4 X2.8
NetK9_2: K9.2 Q9.3
NetK9_3: K9.3 X3.9
NetK9_4: K9.4 X2.9
NetK10_2: K10.2 Q10.3
NetK10_3: K10.3 X3.10
NetK10_4: K10.4 X2.10
NetK11_2: K11.2 Q11.3
NetK11_3: K11.3 X3.11
NetK11_4: K11.4 X2.11
NetK12_2: K12.2 Q12.3
NetK12_3: K12.3 X3.12
NetK12_4: K12.4 X2.12
NetK13_2: K13.2 Q13.3
NetK13_3: K13.3 X3.13
NetK13_4: K13.4 X2.13
NetK14_2: K14.2 Q14.3
NetK14_3: K14.3 X3.14
NetK14_4: K14.4 X2.14
NetK15_2: K15.2 Q15.3
NetK15_3: K15.3 X3.15
NetK15_4: K15.4 X2.15
NetK16_2: K16.2 Q16.3
NetK16_3: K16.3 X3.16
NetK16_4: K16.4 X2.16
NetK17_2: K17.2 Q17.3
NetK17_3: K17.3 X3.17
NetK17_4: K17.4 X2.17
NetK18_2: K18.2 Q18.3
NetK18_3: K18.3 X3.18
NetK18_4: K18.4 X2.18
NetK19_2: K19.2 Q19.3
NetK19_3: K19.3 X3.19
NetK19_4: K19.4 X2.19
NetK20_2: K20.2 Q20.3
NetK20_3: K20.3 X3.20
NetK20_4: K20.4 X2.20
NetK21_2: K21.2 Q21.3
NetK21_3: K21.3 X3.21
NetK21_4: K21.4 X2.21
NetK22_2: K22.2 Q22.3
NetK22_3: K22.3 X3.22
NetK22_4: K22.4 X2.22
NetK23_2: K23.2 Q23.3
NetK23_3: K23.3 X3.23
NetK23_4: K23.4 X2.23
NetK24_2: K24.2 Q24.3
NetK24_3: K24.3 X3.24
NetK24_4: K24.4 X2.24
NetK25_2: K25.2 Q25.3
NetK25_3: K25.3 X3.25
NetK25_4: K25.4 X2.25
NetK26_2: K26.2 Q26.3
NetK26_3: K26.3 X3.26
NetK26_4: K26.4 X2.26
NetK27_2: K27.2 Q27.3
NetK27_3: K27.3 X3.27
NetK27_4: K27.4 X2.27
NetK28_2: K28.2 Q28.3
NetK28_3: K28.3 X3.28
NetK28_4: K28.4 X2.28
NetK29_2: K29.2 Q29.3
NetK29_3: K29.3 X3.29
NetK29_4: K29.4 X2.29
NetK30_2: K30.2 Q30.3
NetK30_3: K30.3 X3.30
NetK30_4: K30.4 X2.30
NetK31_2: K31.2 Q31.3
NetK31_3: K31.3 X3.31
NetK31_4: K31.4 X2.31
NetK32_2: K32.2 Q32.3
NetK32_3: K32.3 X3.32
NetK32_4: K32.4 X2.32
NetK33_2: K33.2 Q33.3
NetK33_3: K33.3 X3.33
NetK33_4: K33.4 X2.33
NetK34_2: K34.2 Q34.3
NetK34_3: K34.3 X3.34
NetK34_4: K34.4 X2.34
NetK35_2: K35.2 Q35.3
NetK35_3: K35.3 X3.35
NetK35_4: K35.4 X2.35
NetK36_2: K36.2 Q36.3
NetK36_3: K36.3 X3.36
NetK36_4: K36.4 X2.36
NetK37_2: K37.2 Q37.3
NetK37_3: K37.3 X3.37
NetK37_4: K37.4 X2.37
NetK38_2: K38.2 Q38.3
NetK38_3: K38.3 X3.38
NetK38_4: K38.4 X2.38
NetK39_2: K39.2 Q39.3
NetK39_3: K39.3 X3.39
NetK39_4: K39.4 X2.39
NetK40_2: K40.2 Q40.3
NetK40_3: K40.3 X3.40
NetK40_4: K40.4 X2.40
NetK41_2: K41.2 Q41.3
NetK41_3: K41.3 X3.41
NetK41_4: K41.4 X2.41
NetK42_2: K42.2 Q42.3
NetK42_3: K42.3 X3.42
NetK42_4: K42.4 X2.42
NetK43_2: K43.2 Q43.3
NetK43_3: K43.3 X3.43
NetK43_4: K43.4 X2.43
NetK44_2: K44.2 Q44.3
NetK44_3: K44.3 X3.44
NetK44_4: K44.4 X2.44
NetK45_2: K45.2 Q45.3
NetK45_3: K45.3 X3.45
NetK45_4: K45.4 X2.45
NetK46_2: K46.2 Q46.3
NetK46_3: K46.3 X3.46
NetK46_4: K46.4 X2.46
NetK47_2: K47.2 Q47.3
NetK47_3: K47.3 X3.47
NetK47_4: K47.4 X2.47
NetK48_2: K48.2 Q48.3
NetK48_3: K48.3 X3.48
NetK48_4: K48.4 X2.48
NetK49_2: K49.2 Q49.3
NetK49_3: K49.3 X3.49
NetK49_4: K49.4 X2.49
NetK50_2: K50.2 Q50.3
NetK50_3: K50.3 X3.50
NetK50_4: K50.4 X2.50
NetK51_2: K51.2 Q51.3
NetK51_3: K51.3 X3.51
NetK51_4: K51.4 X2.51
NetK52_2: K52.2 Q52.3
NetK52_3: K52.3 X3.52
NetK52_4: K52.4 X2.52
NetK53_2: K53.2 Q53.3
NetK53_3: K53.3 X3.53
NetK53_4: K53.4 X2.53
NetK54_2: K54.2 Q54.3
NetK54_3: K54.3 X3.54
NetK54_4: K54.4 X2.54
NetK55_2: K55.2 Q55.3
NetK55_3: K55.3 X3.55
NetK55_4: K55.4 X2.55
NetK56_2: K56.2 Q56.3
NetK56_3: K56.3 X3.56
NetK56_4: K56.4 X2.56
NetK57_2: K57.2 Q57.3
NetK57_3: K57.3 X3.57
NetK57_4: K57.4 X2.57
NetK58_2: K58.2 Q58.3
NetK58_3: K58.3 X3.58
NetK58_4: K58.4 X2.58
NetK59_2: K59.2 Q59.3
NetK59_3: K59.3 X3.59
NetK59_4: K59.4 X2.59
NetK60_2: K60.2 Q60.3
NetK60_3: K60.3 X3.60
NetK60_4: K60.4 X2.60
NetK61_2: K61.2 Q61.3
NetK61_3: K61.3 X3.61
NetK61_4: K61.4 X2.61
NetK62_2: K62.2 Q62.3
NetK62_3: K62.3 X3.62
NetK62_4: K62.4 X2.62
NetK63_2: K63.2 Q63.3
NetK63_3: K63.3 X3.63
NetK63_4: K63.4 X2.63
NetK64_2: K64.2 Q64.3
NetK64_3: K64.3 X3.64
NetK64_4: K64.4 X2.64
NetR43_1: R43.1 Y1.3
NetR43_2: R43.2 U7.D10
NetR44_1: R44.1 U7.P7
NetR45_1: R45.1 U7.P10
NetR46_1: R46.1 U7.P9
NetR47_1: R47.1 U7.L13 U9.1
NetR58_1: R58.1@156.294,30.438 U29.F3
NetR59_1: R59.1@154.966,30.438 R77.2 U29.B6
NetR60_1: R60.1@153.656,30.438 R74.2 U29.E6
NetR61_1: R61.1@152.319,30.438 R71.2 U29.H6
NetR62_1: R62.1@150.967,30.438 R68.2@150.996,32.713 U29.L6
NetU7_B8: U7.B8 U8.1
NetU7_B9: U7.B9 U8.6
NetU7_C9: U7.C9 U8.2
NetU7_D9: U7.D9 U8.5
NetU7_E9: U7.E9 U9.6
NetU7_E10: U7.E10 X36.6
NetU7_E11: U7.E11 X36.10
NetU7_E12: U7.E12 X36.4
NetU7_E13: U7.E13 X36.8
NetU7_K17: U7.K17 U9.5
NetU7_K18: U7.K18 U9.2
PGOOD1: D9.2 U29.C3
PGOOD2: D10.2 U29.C2
PGOOD3: D11.2 U29.F2
PGOOD4: D12.2 U29.J2
RUN1: R57.1@159.885,40.426 U29.C6
RUN2: R56.1@159.073,40.426 U29.F6
RUN3: R55.1@158.304,40.426 U29.J6
RUN4: R54.1@157.574,40.426 U29.K7
SCLK: U7.A10 X4.B17
TRACK/SS1: C35.1 R76.2 U29.A6
TRACK/SS2: C32.1 R73.2 U29.D6
TRACK/SS3: C29.1 R70.2 U29.G6
TRACK/SS4: C26.1 R67.2@151.113,41.226 U29.K6
VCCADC: C10.1 C471.1 L1.2 U7.H10
VCCAUX: C9.1 C318.1 C430.1 C431.1 C432.1 C433.1 C434.1 C435.1 D1.2 D2.1 J5.2 J6.2 L1.1 U7.F12 U7.H12 U7.K12 U7.M12
VCCBAT: C1.2 C2.2 C3.2 C4.2 C5.2 C6.2 C7.2 C8.2 C9.2 C10.2 C11.2 C12.2 C13.2 C14.2 C15.2 C16.2 C17.2 C18.2 C19.2 C20.2 C21.2 C22.2 C23.2 C24.2 C26.2 C27.2 C28.2 C29.2 C30.2 C31.2 C32.2 C33.2 C34.2 C35.2 C36.2 C37.2 C38.2 C40.2 C42.2 C310.2 C311.2 C312.2 C313.2 C314.2 C315.2 C316.2 C317.2 C318.2 C430.2 C431.2 C432.2 C433.2 C434.2 C435.2 C436.2 C437.2 C438.2 C439.2 C440.2 C441.2 C442.2 C443.2 C444.2 C445.2 C446.2 C447.2 C448.2 C449.2 C450.2 C451.2 C452.2 C453.2 C454.2 C455.2 C456.2 C457.2 C458.2 C459.2 C460.2 C461.2 C462.2 C463.2 C464.2 C465.2 C466.2 C467.2 C468.2 C469.2 C470.1 C470.2 C471.2 C476.2 C477.2 J3.3 J4.3 Q1.2 Q2.2 Q3.2 Q4.2 Q5.2 Q6.2 Q7.2 Q8.2 Q9.2 Q10.2 Q11.2 Q12.2 Q13.2 Q14.2 Q15.2 Q16.2 Q17.2 Q18.2 Q19.2 Q20.2 Q21.2 Q22.2 Q23.2 Q24.2 Q25.2 Q26.2 Q27.2 Q28.2 Q29.2 Q30.2 Q31.2 Q32.2 Q33.2 Q34.2 Q35.2 Q36.2 Q37.2 Q38.2 Q39.2 Q40.2 Q41.2 Q42.2 Q43.2 Q44.2 Q45.2 Q46.2 Q47.2 Q48.2 Q49.2 Q50.2 Q51.2 Q52.2 Q53.2 Q54.2 Q55.2 Q56.2 Q57.2 Q58.2 Q59.2 Q60.2 Q61.2 Q62.2 Q63.2 Q64.2 R1.1 R2.1 R3.1 R4.1 R5.1 R6.1 R7.1 R8.1 R9.1 R10.1 R11.1 R12.1 R13.1 R14.1 R15.1 R16.1 R17.1 R18.1 R19.1 R20.1 R21.1 R22.1 R23.1 R24.1 R25.1 R26.1 R27.1 R28.1 R29.1 R30.1 R31.1 R32.1 R33.1 R34.1 R35.1 R36.1 R37.1 R38.1 R39.1 R40.1 R41.1 R42.1 R48.1 R49.1 R50.1 R51.1 R52.1 R53.1 R54.1@100.802,96.527 R55.1@100.802,124.433 R56.1@100.802,115.131 R57.1@100.802,105.829 R58.1@106.802,96.527 R59.1@106.802,105.829 R60.1@106.802,115.131 R61.1@106.802,124.433 R62.1@112.802,96.527 R63.1@112.802,105.829 R64.1@112.802,115.131 R65.1@112.802,124.433 R66.1@118.802,96.527 R67.1 R68.1 R69.1 R70.1 R71.1 R72.1 R73.1 R74.1 R75.1 R76.1 R77.1 R78.1 U7.A2 U7.A12 U7.B5 U7.B15 U7.C8 U7.C18 U7.D1 U7.D11 U7.E4 U7.E8 U7.E14 U7.F7 U7.F9 U7.F11 U7.F17 U7.G8 U7.G10 U7.G12 U7.H3 U7.H7 U7.H9 U7.H11 U7.H13 U7.J6 U7.J8 U7.J9 U7.J10 U7.J12 U7.J16 U7.K7 U7.K9 U7.K10 U7.K11 U7.L2 U7.L8 U7.L12 U7.L15 U7.M5 U7.M7 U7.M9 U7.M11 U7.M15 U7.N8 U7.N10 U7.N12 U7.N18 U7.P1 U7.P11 U7.P13 U7.R4 U7.R14 U7.T7 U7.T17 U7.U10 U7.V3 U7.V13 U8.4 U9.4 U29.A4 U29.A5 U29.B1 U29.B2 U29.C5 U29.D3 U29.D4 U29.D5 U29.E1 U29.E2 U29.F5 U29.F7 U29.G3 U29.G4 U29.G5 U29.H1 U29.H2 U29.J5 U29.K3 U29.K4 U29.L1 U29.L2 X4.A9 X4.A10 X4.A11 X4.A12 X4.A13 X4.A14 X4.A15 X4.A16 X36.1 X36.3 X36.5 X36.7 X36.9 X36.11 X36.13 Y1.2
VCCBRAM: C310.1 C311.1 C312.1 C313.1 C314.1 C315.1 C316.1 C317.1 C476.1 C477.1 D1.1 J1.2 J2.2 U7.F8 U7.F10 U7.G7 U7.G9 U7.G11 U7.H8 U7.J7 U7.J11 U7.K8 U7.L7 U7.L11 U7.M8 U7.M10 U7.N7 U7.N9 U7.N11
VCCO0: C17.1 C436.1 C437.1 C438.1 C439.1 C440.1 C441.1 C442.1 C443.1 C444.1 C445.1 C446.1 C447.1 C448.1 C449.1 C450.1 C451.1 C452.1 C453.1 C454.1 C455.1 C456.1 C457.1 C458.1 C459.1 C460.1 C461.1 C462.1 C463.1 C464.1 C465.1 C466.1 C467.1 C468.1 C469.1 D3.2 D4.1 J3.1 J4.1 J9.2 J10.2 R44.2 R45.2 R46.2 R47.2 U7.A7 U7.A17 U7.B10 U7.C3 U7.C13 U7.D6 U7.D16 U7.F2 U7.G5 U7.G15 U7.H18 U7.J1 U7.K4 U7.K14 U7.L17 U7.N3 U7.N13 U7.P6 U7.P8 U7.P12 U7.P16 U7.R9 U7.T2 U7.T12 U7.U5 U7.U15 U7.V8 U7.V18 U8.7 U8.8 U9.7 U9.8 X36.2 Y1.1 Y1.4
Vin: C1.1 C2.1 C3.1 C4.1 C5.1 C6.1 C7.1 C8.1 R54.2@157.574,41.226 R55.2@158.304,41.226 R56.2@159.073,41.226 R57.2@159.885,41.226 R58.2@156.294,31.238 U29.B3 U29.B4 U29.B5 U29.E3 U29.E4 U29.E5 U29.H3 U29.H4 U29.H5 U29.L3 U29.L4 U29.L5 X4.B5 X4.B6 X4.B7 X4.B8
Vout3: D2.2 D3.1 J7.2 J8.2
Vout-I1: C11.1 C12.1 C13.1 C25.1 J1.1 J2.1 U29.A1 U29.A2 U29.A3
Vout-I2: C14.1 C15.1 C16.1 C39.1 J5.1 J6.1 U29.C1 U29.D1 U29.D2
Vout-I3: C18.1 C19.1 C20.1 C41.1 J7.1 J8.1 U29.F1 U29.G1 U29.G2
Vout-I4: C21.1 C22.1 C23.1 C43.1 J9.1 J10.1 U29.J1 U29.K1 U29.K2
pads on no net: AOI1.0 AOI2.0 AOI4.0 AOI5.0 K49.1 K50.1 K51.1 K52.1 K53.1 K54.1 K55.1 K56.1 K57.1 K58.1 K59.1 K60.1 K61.1 K62.1 K63.1 K64.1 U7.A8 U7.A11 U7.A13 U7.A14 U7.A15 U7.A16 U7.A18 U7.B11 U7.B12 U7.B13 U7.B14 U7.B16 U7.B17 U7.B18 U7.C12 U7.C14 U7.C15 U7.C16 U7.C17 U7.D12 U7.D13 U7.D14 U7.D15 U7.D17 U7.D18 U7.E15 U7.E16 U7.E17 U7.E18 U7.F13 U7.F14 U7.F15 U7.F16 U7.F18 U7.G13 U7.G14 U7.G16 U7.G17 U7.G18 U7.H14 U7.H15 U7.H16 U7.H17 U7.J13 U7.J14 U7.J15 U7.J17 U7.J18 U7.K13 U7.K15 U7.K16 U7.L9 U7.L10 U7.L14 U7.L16 U7.L18 U7.M4 U7.M6 U7.M13 U7.M14 U7.M16 U7.M17 U7.M18 U7.N4 U7.N5 U7.N6 U7.N14 U7.N15 U7.N16 U7.N17 U7.P2 U7.P3 U7.P4 U7.P5 U7.P14 U7.P15 U7.P17 U7.P18 U7.R1 U7.R2 U7.R3 U7.R5 U7.R6 U7.R7 U7.R8 U7.R11 U7.R12 U7.R13 U7.R15 U7.R16 U7.R17 U7.R18 U7.T1 U7.T3 U7.T4 U7.T5 U7.T6 U7.T8 U7.T11 U7.T13 U7.T14 U7.T15 U7.T16 U7.T18 U7.U2 U7.U3 U7.U4 U7.U6 U7.U7 U7.U8 U7.U9 U7.U11 U7.U12 U7.U14 U7.U16 U7.U17 U7.U18 U7.V1 U7.V2 U7.V4 U7.V5 U7.V6 U7.V7 U7.V9 U7.V10 U7.V11 U7.V12 U7.V14 U7.V15 U7.V16 U7.V17 U29.C7 U29.J3 X36.12 X36.14

## Polygon pours and split planes (outlines as drawn)
no net on GND Plane (split plane): 174.096,138.482 174.188,138.454 174.273,138.409 174.348,138.348 174.409,138.273 174.454,138.188 174.482,138.096 174.491,138.012 174.49,138 174.49,20 174.491,19.988 174.482,19.904 174.454,19.812 174.409,19.727 174.348,19.652 174.273,19.591 174.188,19.546 174.096,19.518 174.012,19.509 174,19.51 144.15,19.51 144.148,19.51 143.981,19.501 143.814,19.473 143.651,19.426 143.495,19.361 143.346,19.279 143.208,19.181 143.082,19.068 142.969,18.942 142.871,18.804 142.789,18.655 142.724,18.499 142.677,18.336 142.649,18.169 142.64,18.002 142.64,18 142.64,10.711 142.439,10.51 136.661,10.51 136.46,10.711 136.46,17.46 136.46,17.464 136.451,17.624 136.424,17.785 136.378,17.942 136.316,18.094 136.236,18.237 136.142,18.37 136.033,18.493 135.91,18.602 135.777,18.696 135.634,18.776 135.482,18.838 135.325,18.884 135.164,18.911 135,18.92 134.836,18.911 134.675,18.884 134.518,18.838 134.366,18.776 134.223,18.696 134.09,18.602 133.967,18.493 133.858,18.37 133.764,18.237 133.684,18.094 133.622,17.942 133.576,17.785 133.549,17.624 133.54,17.464 133.54,17.46 133.54,10.711 133.339,10.51 123.561,10.51 123.36,10.711 123.36,18 123.36,18.002 123.351,18.169 123.323,18.336 123.276,18.499 123.211,18.655 123.129,18.804 123.031,18.942 122.918,19.068 122.792,19.181 122.654,19.279 122.505,19.361 122.349,19.426 122.186,19.473 122.019,19.501 121.852,19.51 121.85,19.51 11,19.51 10.988,19.509 10.904,19.518 10.812,19.546 10.727,19.591 10.652,19.652 10.591,19.727 10.546,19.812 10.518,19.904 10.509,19.988 10.51,20 10.51,138 10.509,138.012 10.518,138.096 10.546,138.188 10.591,138.273 10.652,138.348 10.727,138.409 10.812,138.454 10.904,138.482 10.988,138.491 11,138.49 174,138.49 174.012,138.491
no net on P5V0R Plane (split plane): 174.096,138.482 174.188,138.454 174.273,138.409 174.348,138.348 174.409,138.273 174.454,138.188 174.482,138.096 174.491,138.012 174.49,138 174.49,20 174.491,19.988 174.482,19.904 174.454,19.812 174.409,19.727 174.348,19.652 174.273,19.591 174.188,19.546 174.096,19.518 174.012,19.509 174,19.51 144.15,19.51 144.148,19.51 143.981,19.501 143.814,19.473 143.651,19.426 143.495,19.361 143.346,19.279 143.208,19.181 143.082,19.068 142.969,18.942 142.871,18.804 142.789,18.655 142.724,18.499 142.677,18.336 142.649,18.169 142.64,18.002 142.64,18 142.64,10.711 142.439,10.51 136.661,10.51 136.46,10.711 136.46,17.46 136.46,17.464 136.451,17.624 136.424,17.785 136.378,17.942 136.316,18.094 136.236,18.237 136.142,18.37 136.033,18.493 135.91,18.602 135.777,18.696 135.634,18.776 135.482,18.838 135.325,18.884 135.164,18.911 135,18.92 134.836,18.911 134.675,18.884 134.518,18.838 134.366,18.776 134.223,18.696 134.09,18.602 133.967,18.493 133.858,18.37 133.764,18.237 133.684,18.094 133.622,17.942 133.576,17.785 133.549,17.624 133.54,17.464 133.54,17.46 133.54,10.711 133.339,10.51 123.561,10.51 123.36,10.711 123.36,18 123.36,18.002 123.351,18.169 123.323,18.336 123.276,18.499 123.211,18.655 123.129,18.804 123.031,18.942 122.918,19.068 122.792,19.181 122.654,19.279 122.505,19.361 122.349,19.426 122.186,19.473 122.019,19.501 121.852,19.51 121.85,19.51 11,19.51 10.988,19.509 10.904,19.518 10.812,19.546 10.727,19.591 10.652,19.652 10.591,19.727 10.546,19.812 10.518,19.904 10.509,19.988 10.51,20 10.51,138 10.509,138.012 10.518,138.096 10.546,138.188 10.591,138.273 10.652,138.348 10.727,138.409 10.812,138.454 10.904,138.482 10.988,138.491 11,138.49 174,138.49 174.012,138.491

## Silkscreen, mask and mechanical layers (free items; w line width, h text height)
Board Outline:
  the board outline again, w0.013
References:
  lines w0.013: 122.85,11.3 134.05,11.3 ; 135.95,11.3 143.15,11.3

## Text inside footprints (layer, text, board x,y; h text height)
X3: Top Overlay "64" at 141.376,80.29 h2; Top Overlay "63" at 139.376,72.799 h2; Top Overlay "62" at 137.376,65.293 h2; Top Overlay "61" at 135.371,57.792 h2; Top Overlay "60" at 133.376,80.29 h2; Top Overlay "59" at 131.376,72.799 h2; Top Overlay "58" at 129.376,65.293 h2; Top Overlay "57" at 127.371,57.792 h2; Top Overlay "56" at 125.376,80.29 h2; Top Overlay "55" at 123.376,72.799 h2; Top Overlay "54" at 121.376,65.293 h2; Top Overlay "53" at 119.371,57.792 h2; Top Overlay "52" at 117.376,80.29 h2; Top Overlay "51" at 115.376,72.799 h2; Top Overlay "50" at 113.376,65.293 h2; Top Overlay "49" at 111.371,57.792 h2; Top Overlay "48" at 109.376,80.29 h2; Top Overlay "47" at 107.376,72.799 h2; Top Overlay "46" at 105.376,65.293 h2; Top Overlay "45" at 103.371,57.792 h2; Top Overlay "44" at 101.376,80.29 h2; Top Overlay "43" at 99.376,72.799 h2; Top Overlay "42" at 97.376,65.293 h2; Top Overlay "41" at 95.371,57.792 h2; Top Overlay "40" at 93.376,80.29 h2; Top Overlay "39" at 91.376,72.799 h2; Top Overlay "38" at 89.376,65.293 h2; Top Overlay "37" at 87.371,57.792 h2; Top Overlay "36" at 85.376,80.29 h2; Top Overlay "35" at 83.376,72.799 h2; Top Overlay "34" at 81.376,65.293 h2; Top Overlay "33" at 79.371,57.792 h2; Top Overlay "32" at 77.376,80.29 h2; Top Overlay "31" at 75.376,72.799 h2; Top Overlay "30" at 73.376,65.293 h2; Top Overlay "29" at 71.371,57.792 h2; Top Overlay "28" at 69.376,80.29 h2; Top Overlay "27" at 67.376,72.799 h2; Top Overlay "26" at 65.376,65.293 h2; Top Overlay "25" at 63.371,57.792 h2; Top Overlay "24" at 61.376,80.29 h2; Top Overlay "23" at 59.376,72.799 h2; Top Overlay "22" at 57.376,65.293 h2; Top Overlay "21" at 55.371,57.792 h2; Top Overlay "20" at 53.376,80.29 h2; Top Overlay "19" at 51.376,72.799 h2; Top Overlay "18" at 49.376,65.293 h2; Top Overlay "17" at 47.371,57.792 h2; Top Overlay "16" at 45.376,80.29 h2; Top Overlay "15" at 43.376,72.799 h2; Top Overlay "14" at 41.376,65.293 h2; Top Overlay "13" at 39.371,57.792 h2; Top Overlay "12" at 37.376,80.29 h2; Top Overlay "11" at 35.376,72.799 h2; Top Overlay "10" at 33.376,65.293 h2; Top Overlay "9" at 31.371,57.792 h2; Top Overlay "8" at 29.376,80.29 h2; Top Overlay "7" at 27.376,72.799 h2; Top Overlay "6" at 25.376,65.293 h2; Top Overlay "5" at 23.371,57.792 h2; Top Overlay "7" at 141.376,25.303 h2; Top Overlay "6" at 141.376,29.027 h2; Top Overlay "5" at 141.376,32.787 h2; Top Overlay "4" at 141.376,36.565 h2; Top Overlay "3" at 141.376,40.307 h2; Top Overlay "2" at 141.376,44.066 h2; Top Overlay "1" at 141.376,47.79 h2; Top Overlay "0" at 141.376,51.55 h2; Top Overlay "1" at 15.371,57.792 h2; Top Overlay "2" at 17.376,65.293 h2; Top Overlay "3" at 19.376,72.799 h2; Top Overlay "4" at 21.376,80.29 h2